# Altium PCB UmTRXv21.PcbDoc (part 11 of 19)
Units mm, origin at the board's own origin, x right, y up, seen from the top; angles counter-clockwise.
Board outline 159.5 x 99.5 mm, 6 copper layers (Top Layer, GND, MidLayer1, Mid-Layer 2, InternalPlane2, Bottom Layer), stack 1.526 mm thick; 716 components, 578 nets, 2850 pads, 1402 vias.
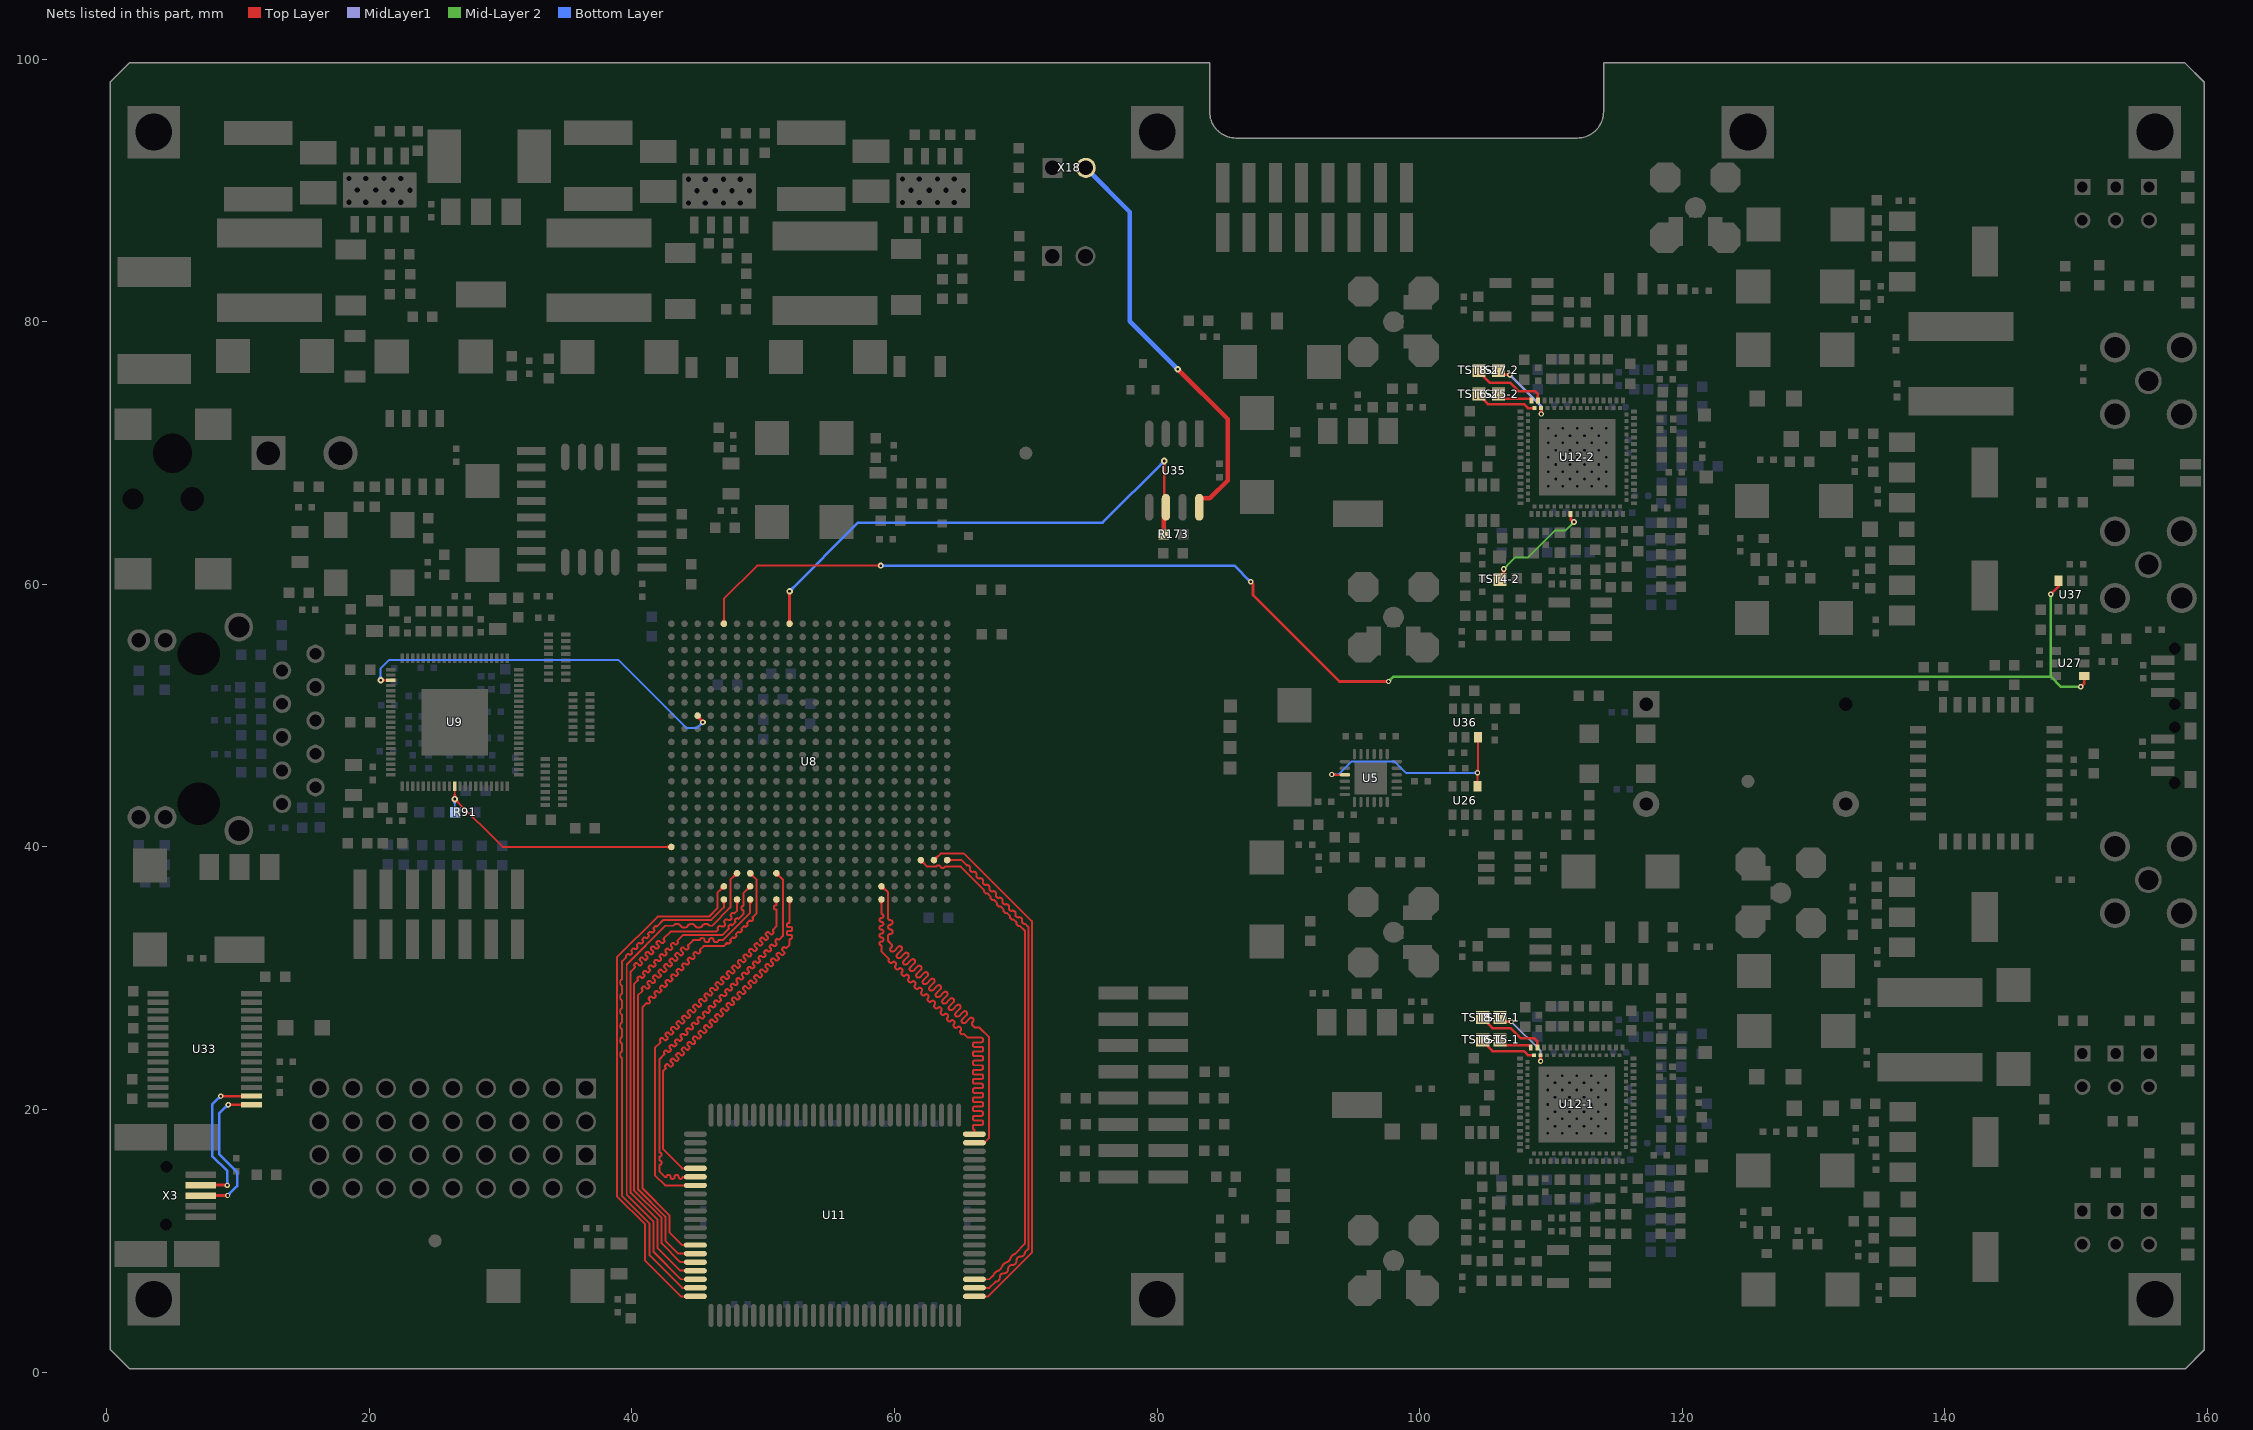
[diagram p15: the nets of this part, all layers, seen from the top]

## Via types
v1: diameter 0.45, hole 0.2, Top Layer to Bottom Layer, tented both sides, 440 vias
v2: diameter 0.5, hole 0.2, Top Layer to Bottom Layer, tented both sides, 423 vias
v3: diameter 0.7, hole 0.3, Top Layer to Bottom Layer, tented both sides, 257 vias
v4: diameter 0.4, hole 0.2, Top Layer to Bottom Layer, tented both sides, 197 vias
v5: diameter 0.8, hole 0.3, Top Layer to Bottom Layer, tented both sides, 63 vias
v6: diameter 0.6, hole 0.25, Top Layer to Bottom Layer, tented both sides, 16 vias
v7: diameter 0.6, hole 0.3, Top Layer to Bottom Layer, tented both sides, 4 vias
v8: diameter 1, hole 0.5, Top Layer to Bottom Layer, tented both sides, 2 vias

## Nets (pads, with @x,y where several pads share a name; then routed paths per layer and width w, separated by ;. In a path a pad name is that pad's centre, name@x,y a point inside that pad or via, vN(x,y) a via of type N, cw(c..) or ccw(c..) an arc to the next point about the centre after c; other vN are vias at no path point) (continued)
NetTST4-2_1: TST4-2.1 U12-2.42 | length 10.7
  Top Layer w0.15: TST4-2.1@106.1,60.1 106.4,60.4 v1(106.4,61.175) ; v1@106.294,61.069 cw(c106.038,60.813) 106.4,60.813 cw(c106.762,60.813) v1@106.506,61.069
  Top Layer w0.2: U12-2.42@111.496,65.355 111.496,64.954 ; v1@111.733,64.874 cw(c111.696,65.154) 111.496,64.954 ; v1(111.75,64.75) 111.7,64.75 111.496,64.954
  Mid-Layer 2 w0.15: v1(106.4,61.175) 107.275,62.05 108.25,62.05 110.3,64.1 111.1,64.1 v1(111.75,64.75) ; v1@106.4,61.325 ccw(c106.4,61.687) 106.656,61.431 ccw(c106.912,61.175) v1@106.55,61.175 ; v1@111.6,64.75 cw(c111.238,64.75) 111.494,64.494 cw(c111.75,64.238) v1@111.75,64.6
NetTST5-1_1: TST5-1.1 U12-1.116 | length 2.6
  Top Layer w0.2: TST5-1.1@106.1,25.3 106.512,24.888 108.282,24.888 U12-1.116@108.457,24.713
NetTST5-2_1: TST5-2.1 U12-2.116 | length 2.7
  Top Layer w0.2: TST5-2.1@106,74.5 106.35,74.15 108.425,74.15 108.496,74.079 U12-2.116@108.496,74.005
NetTST6-1_1: TST6-1.1 U12-1.115 | length 4.4
  Top Layer w0.2: TST6-1.1@104.737,25.237 105.525,24.45 107.925,24.45 108.237,24.138 U12-1.115@108.707,24.138
NetTST6-2_1: TST6-2.1 U12-2.115 | length 4.7
  Top Layer w0.2: TST6-2.1@104.462,74.463 105.2,73.725 107.951,73.725 108.246,73.43 U12-2.115@108.746,73.43
NetTST7-1_1: TST7-1.1 U12-1.113 | length 6.2
  Top Layer w0.2: TST7-1.1@106.1,27 106.4,26.7 v4(106.975,26.7) ; v4@109.136,23.759 ccw(c108.966,23.929) 109.207,23.929 ccw(c109.449,23.93) v4@109.278,23.759 ; v4(109.207,23.688) U12-1.113@109.207,24.138
  MidLayer1 w0.15: v4(106.975,26.7) 109.207,24.468 v4(109.207,23.688) ; v4@109.119,23.776 ccw(c108.905,23.99) 109.207,23.99 ccw(c109.509,23.99) v4@109.295,23.776
NetTST7-2_1: TST7-2.1 U12-2.113 | length 6.9
  Top Layer w0.2: TST7-2.1@106,76.3 106.325,75.975 v4(106.85,75.975) ; v4@106.779,75.904 ccw(c106.609,75.734) 106.609,75.975 ccw(c106.609,76.216) v4@106.779,76.046 ; v4@109.175,73.051 ccw(c109.005,73.221) 109.246,73.221 ccw(c109.487,73.221) v4@109.317,73.051 ; v4(109.246,72.98) U12-2.113@109.246,73.43
  MidLayer1 w0.2: v4@106.85,75.875 cw(c106.85,75.634) 107.021,75.804 cw(c107.191,75.975) v4@106.95,75.975 ; v4(106.85,75.975) 109.246,73.579 v4(109.246,72.98) ; v4@109.175,73.051 ccw(c109.005,73.221) 109.246,73.221 ccw(c109.487,73.221) v4@109.317,73.051
NetTST8-1_1: TST8-1.1 U12-1.114 | length 5.4
  Top Layer w0.2: TST8-1.1@104.762,26.962 105.525,26.2 106.925,26.2 107.7,25.425 108.725,25.425 108.957,25.193 U12-1.114@108.957,24.713
NetTST8-2_1: TST8-2.1 U12-2.114 | length 5.8
  Top Layer w0.2: TST8-2.1@104.45,76.25 105.35,75.35 106.9,75.35 107.525,74.725 108.767,74.725 108.996,74.496 U12-2.114@108.996,74.005
NetU5_3: U5.3 U26.4 U36.3 | length 19
  Top Layer w0.15: v4(93.3,45.525) 93.325,45.5 U5.3@94.3,45.5 ; v4@93.388,45.437 cw(c93.541,45.284) 93.541,45.5 ; v4@93.388,45.613 ccw(c93.662,45.887) 93.662,45.5 ; v4@104.312,45.562 cw(c104.093,45.343) 104.402,45.343 ; v4@104.312,45.738 ccw(c104.035,46.015) 104.426,46.015 ; U26.4@104.402,44.61 104.402,45.648 v4(104.4,45.65) 104.426,45.676 U36.3@104.426,48.365 ; 104.402,45.353 cw(c104.697,45.353) v4@104.488,45.562 ; 104.426,45.889 ccw(c104.639,45.889) v4@104.488,45.738
  Bottom Layer w0.15: v4(93.3,45.525) 93.825,45.525 94.825,46.525 98.075,46.525 98.95,45.65 v4(104.4,45.65) ; v4@93.388,45.437 cw(c93.602,45.223) 93.602,45.525 cw(c93.602,45.827) v4@93.388,45.613 ; v4@104.312,45.562 ccw(c104.098,45.348) 104.098,45.65 ccw(c104.098,45.952) v4@104.312,45.738
NetU33_15: U33.15 X3.3 | length 13.2
  Top Layer w0.2: X3.3@7.4,13.45 v4(9.2,13.45) ; v4@9.129,13.379 ccw(c8.958,13.208) 8.958,13.45 ccw(c8.959,13.691) v4@9.129,13.521 ; v4(9.25,20.375) U33.15@11,20.375 ; v4@9.321,20.304 cw(c9.491,20.134) 9.491,20.375 cw(c9.491,20.616) v4@9.321,20.446
  Bottom Layer w0.2: 9.06,20.196 cw(c9.25,20.006) v4@9.25,20.275 ; 9.087,20.224 ccw(c8.936,20.375) v4@9.15,20.375 ; v4(9.2,13.45) 9.925,14.175 9.925,15.25 8.55,16.625 8.55,19.686 9.239,20.375 v4(9.25,20.375) ; v4@9.2,13.55 ccw(c9.2,13.791) 9.371,13.621 ccw(c9.541,13.45) v4@9.3,13.45
NetU33_16: U33.16 X3.2 | length 13.1
  Top Layer w0.2: X3.2@7.4,14.25 v4@9.2,14.25 ; v4(8.675,21.025) U33.16@11,21.025 ; v4@8.746,20.954 cw(c8.916,20.784) 8.916,21.025 cw(c8.916,21.266) v4@8.746,21.096 ; 8.873,14.25 cw(c8.873,13.923) v4@9.104,14.154
  Bottom Layer w0.2: v4@8.575,21.025 cw(c8.334,21.025) 8.504,20.854 cw(c8.675,20.684) v4@8.675,20.925 ; v4(8.675,21.025) 8.025,20.375 8.025,16.475 9.175,15.325 v4(9.175,14.225) ; v4@9.104,14.296 ccw(c8.934,14.466) 9.175,14.466 ccw(c9.416,14.466) v4@9.246,14.296
NetU35_8: U35.8 X18.2 | length 31.6
  Top Layer w0.35: v2(81.575,76.4) 85.375,72.6 85.375,67.911 84.014,66.55 83.375,66.55 83.205,66.38 U35.8@83.205,65.878
  Bottom Layer w0.35: X18.2@74.565,91.725 77.925,88.365 77.925,80.05 v2(81.575,76.4)
OVERHEAT: R173.2 U8.AB13 U35.6 | length 42.8
  Top Layer w0.2: U8.AB13@51.894,57.106 ccw(c51.638,57.362) 52,57.362 ccw(c52.362,57.362) U8.AB13@52.106,57.106 ; v2@51.894,59.369 cw(c51.638,59.113) 52,59.113 cw(c52.362,59.113) v2@52.106,59.369 ; U8.AB13@52,57 v2(52,59.475) ; U35.6@80.55,65.878 v2(80.55,69.4)
  Top Layer w0.35: R173.2@80.5,63.825 U35.6@80.5,65.713
  Bottom Layer w0.2: v2(52,59.475) 57.225,64.7 75.85,64.7 v2(80.55,69.4) ; v2@52,59.625 ccw(c52,59.987) 52.256,59.731 ccw(c52.512,59.475) v2@52.15,59.475 ; v2@80.4,69.4 cw(c80.038,69.4) 80.294,69.144 cw(c80.55,68.888) v2@80.55,69.25
PHY_INTN: R91.2 U8.E22 U9.53 | length 22.6
  Top Layer w0.15: v2@26.376,43.774 ccw(c26.078,44.072) 26.5,44.072 ccw(c26.922,44.072) v2@26.624,43.774 ; v2@26.5,43.475 cw(c26.5,43.053) 26.799,43.351 cw(c27.097,43.65) v2@26.675,43.65 ; U9.53@26.5,44.625 v2(26.5,43.65) 30.15,40 U8.E22@43,40 ; U8.E22@42.876,39.876 ccw(c42.578,39.578) 42.578,40 ccw(c42.578,40.422) U8.E22@42.876,40.124
  Bottom Layer w0.15: v2@26.376,43.526 cw(c26.078,43.228) 26.5,43.228 cw(c26.922,43.228) v2@26.624,43.526 ; R91.2@26.5,42.65 v2(26.5,43.65)
PHY_RESETN: U8.R20 U9.24 | length 34.2
  Top Layer w0.15: v2(20.85,52.7) 20.85,52.65 20.9,52.7 U9.24@21.625,52.7 ; v2@20.974,52.576 cw(c21.272,52.278) 21.272,52.7 cw(c21.273,53.123) v2@20.974,52.824 ; U8.R20@44.955,49.831 cw(c44.843,49.414) v1@45.217,49.63 ; U8.R20@45,49.825 cw(c45,49.644) 45.128,49.772 ; U8.R20@45,50 45,49.9 v1(45.4,49.5) ; U8.R20@45.012,49.825 cw(c45.022,49.684) 45.145,49.755 cw(c45.272,49.828) U8.R20@45.148,49.906 ; U8.R20@45.025,49.999 ccw(c45.302,49.985) 45.163,49.745 ; U8.R20@45.155,49.919 ccw(c45.29,49.848) 45.214,49.716 ; U8.R20@45.169,49.955 ccw(c45.568,49.848) 45.21,49.641 ; U8.R20@45.175,50 ccw(c45.839,50) v1@45.369,49.531 ; v1@45.25,49.5 ccw(c44.888,49.5) 45.144,49.756 ccw(c45.4,50.012) v1@45.4,49.65
  Bottom Layer w0.15: v2@20.726,52.824 ccw(c20.428,53.122) 20.85,53.122 ccw(c21.272,53.122) v2@20.974,52.824 ; v2(20.85,52.7) 20.85,53.6 21.5,54.25 38.95,54.25 44.125,49.075 44.975,49.075 v1(45.4,49.5) ; v1@45.25,49.5 cw(c44.888,49.5) 45.144,49.244 cw(c45.4,48.988) v1@45.4,49.35
PPS_IN: U8.AB18 U27.4 U37.3 | length 123.4
  Top Layer w0.15: U8.AB18@46.876,57.124 ccw(c46.578,57.422) 47,57.422 ccw(c47.422,57.422) U8.AB18@47.124,57.124 ; U8.AB18@47,57 47,58.9 49.525,61.425 v1(58.95,61.425) ; v1@58.844,61.319 ccw(c58.588,61.063) 58.588,61.425 ccw(c58.588,61.787) v1@58.844,61.531
  Top Layer w0.2: v4(87.125,60.2) 87.3,60.025 87.3,59.175 93.875,52.6 v4(97.625,52.6) ; v4@97.554,52.529 ccw(c97.384,52.359) 97.384,52.6 ccw(c97.384,52.841) v4@97.554,52.671 ; v4(148.062,59.25) 148.662,59.85 U37.3@148.662,60.28 ; v4(150.35,52.2) 150.6,52.45 150.6,53.022 U27.4@150.615,53.037 ; v4@150.35,52.3 ccw(c150.35,52.541) 150.521,52.371 ccw(c150.691,52.2) v4@150.45,52.2
  Mid-Layer 2 w0.2: v4(97.625,52.6) 98,52.975 148.062,52.975 ; v4@97.625,52.7 ccw(c97.625,52.941) 97.796,52.771 ccw(c97.966,52.6) v4@97.725,52.6 ; v4@147.991,59.179 cw(c147.821,59.009) 148.062,59.009 cw(c148.304,59.009) v4@148.133,59.179 ; v4(148.062,59.25) 148.062,52.975 ; v4@150.279,52.129 ccw(c150.109,51.959) 150.109,52.2 ccw(c150.109,52.441) v4@150.279,52.271 ; v4(150.35,52.2) 148.837,52.2 148.062,52.975
  Bottom Layer w0.2: v1(58.95,61.425) 85.9,61.425 v4(87.125,60.2) ; v1@59.038,61.337 cw(c59.252,61.123) 59.252,61.425 cw(c59.252,61.727) v1@59.038,61.513 ; v4@87.025,60.2 ccw(c86.784,60.2) 86.954,60.371 ccw(c87.125,60.541) v4@87.125,60.3
RAM_A00: U8.A14 U11.37 | length 40.8
  Top Layer w0.15: 42.361,25.425 ccw(c42.277,25.34) 42.192,25.425 42.149,25.382 ccw(c42.234,25.297) 42.149,25.213 cw(c42.093,25.156) 42.149,25.099 41.75,24.7 41.75,15 42.525,14.225 U11.37@44.825,14.225 ; 42.362,25.425 42.418,25.368 42.475,25.312 ccw(c42.56,25.396) 42.644,25.311 42.687,25.354 ccw(c42.602,25.439) 42.687,25.524 42.574,25.637 ; 42.574,25.637 cw(c42.659,25.722) 42.574,25.806 ; 42.574,25.807 42.616,25.849 cw(c42.701,25.764) 42.786,25.849 42.842,25.792 42.899,25.736 ccw(c42.984,25.821) 43.069,25.736 43.111,25.778 ccw(c43.026,25.863) 43.111,25.948 43.055,26.005 42.998,26.061 cw(c43.083,26.146) 42.998,26.231 43.04,26.273 cw(c43.125,26.188) 43.21,26.273 43.267,26.217 43.323,26.16 ccw(c43.408,26.245) 43.493,26.16 43.535,26.203 ccw(c43.451,26.287) 43.535,26.372 43.479,26.429 43.422,26.485 cw(c43.507,26.57) 43.422,26.655 43.465,26.698 cw(c43.55,26.613) 43.634,26.698 43.691,26.641 43.748,26.584 ccw(c43.832,26.669) 43.917,26.584 43.96,26.627 ccw(c43.875,26.712) 43.96,26.797 43.903,26.853 43.847,26.91 cw(c43.931,26.995) 43.846,27.079 ; 43.847,27.079 43.889,27.122 cw(c43.974,27.037) 44.059,27.122 44.115,27.065 44.172,27.009 ccw(c44.257,27.094) 44.341,27.009 ; 44.342,27.009 44.384,27.051 ccw(c44.299,27.136) 44.384,27.221 44.271,27.334 cw(c44.356,27.419) 44.271,27.504 44.313,27.546 cw(c44.398,27.461) 44.483,27.546 44.54,27.49 44.596,27.433 ccw(c44.681,27.518) 44.766,27.433 ; 44.766,27.433 44.808,27.475 ccw(c44.723,27.56) 44.808,27.645 44.752,27.702 44.695,27.758 cw(c44.78,27.843) 44.695,27.928 44.738,27.97 cw(c44.822,27.885) 44.907,27.97 44.964,27.914 45.02,27.857 ccw(c45.105,27.942) 45.19,27.857 45.232,27.9 ccw(c45.148,27.984) 45.233,28.069 45.176,28.126 45.119,28.182 cw(c45.204,28.267) 45.119,28.352 45.162,28.395 cw(c45.247,28.31) 45.331,28.395 45.388,28.338 45.445,28.281 ccw(c45.529,28.366) 45.614,28.281 45.657,28.324 ; 45.586,28.819 45.544,28.776 ccw(c45.628,28.692) 45.544,28.607 45.6,28.55 45.657,28.494 cw(c45.572,28.409) 45.657,28.324 ; 45.586,28.819 cw(c45.671,28.734) 45.756,28.819 45.812,28.762 45.869,28.706 ccw(c45.954,28.791) 46.038,28.706 46.081,28.748 ccw(c45.996,28.833) 46.081,28.918 46.024,28.974 45.968,29.031 cw(c46.053,29.116) 45.968,29.201 46.01,29.243 ; 46.01,29.243 cw(c46.095,29.158) 46.18,29.243 46.237,29.187 46.293,29.13 ccw(c46.378,29.215) 46.463,29.13 46.505,29.172 ccw(c46.42,29.257) 46.505,29.342 46.449,29.399 46.392,29.455 cw(c46.477,29.54) 46.392,29.625 46.435,29.667 cw(c46.519,29.583) 46.604,29.667 46.661,29.611 46.717,29.554 ccw(c46.802,29.639) 46.887,29.554 46.93,29.597 ccw(c46.845,29.682) 46.93,29.766 46.873,29.823 46.816,29.88 cw(c46.901,29.964) 46.816,30.049 46.859,30.092 ; 46.859,30.092 cw(c46.944,30.007) 47.028,30.092 ; 47.029,30.092 47.142,29.979 ccw(c47.227,30.063) 47.311,29.978 47.354,30.021 ccw(c47.269,30.106) 47.354,30.191 47.297,30.247 47.241,30.304 cw(c47.326,30.389) 47.24,30.473 47.283,30.516 cw(c47.368,30.431) 47.453,30.516 47.509,30.459 47.566,30.403 ccw(c47.651,30.488) 47.735,30.403 47.778,30.445 ; 47.778,30.445 ccw(c47.693,30.53) 47.778,30.615 47.721,30.671 47.665,30.728 cw(c47.75,30.813) 47.665,30.898 47.707,30.94 cw(c47.792,30.855) 47.877,30.94 47.934,30.884 47.99,30.827 ccw(c48.075,30.912) 48.16,30.827 48.202,30.869 ccw(c48.117,30.954) 48.202,31.039 48.146,31.096 48.089,31.152 cw(c48.174,31.237) 48.089,31.322 48.132,31.364 cw(c48.216,31.28) 48.301,31.364 48.358,31.308 48.414,31.251 ccw(c48.499,31.336) 48.584,31.251 ; 48.584,31.251 48.627,31.294 ccw(c48.542,31.379) 48.627,31.463 48.57,31.52 48.513,31.577 cw(c48.598,31.661) 48.513,31.746 48.556,31.789 cw(c48.641,31.704) 48.725,31.789 ; 48.726,31.789 48.839,31.676 ; 48.839,31.675 ccw(c48.924,31.76) 49.008,31.675 ; 48.938,32.001 cw(c49.023,32.086) 48.938,32.171 48.98,32.213 cw(c49.065,32.128) 49.15,32.213 49.206,32.156 49.263,32.1 ccw(c49.348,32.185) 49.433,32.1 49.475,32.142 ccw(c49.39,32.227) 49.475,32.312 49.419,32.369 49.362,32.425 cw(c49.447,32.51) 49.362,32.595 ; 48.938,32.001 48.994,31.944 49.051,31.888 cw(c48.966,31.803) 49.051,31.718 49.008,31.676 ; 49.362,32.595 49.404,32.637 cw(c49.489,32.552) 49.574,32.637 49.631,32.581 49.687,32.524 ccw(c49.772,32.609) 49.857,32.524 49.899,32.567 ccw(c49.815,32.651) 49.899,32.736 49.843,32.793 49.786,32.849 cw(c49.871,32.934) 49.786,33.019 49.829,33.062 cw(c49.914,32.977) 49.998,33.062 50.055,33.005 50.112,32.948 ccw(c50.196,33.033) 50.281,32.948 50.324,32.991 ccw(c50.239,33.076) 50.324,33.16 50.267,33.217 50.21,33.274 cw(c50.295,33.358) 50.21,33.443 ; 50.21,33.443 50.253,33.486 cw(c50.338,33.401) 50.423,33.486 50.479,33.429 50.536,33.373 ccw(c50.621,33.457) 50.705,33.372 50.748,33.415 ccw(c50.663,33.5) 50.748,33.585 cw(c50.804,33.641) 50.748,33.698 51,33.95 51,35.2 ccw(c50.95,35.2) 50.95,35.25 50.92,35.25 cw(c50.92,35.37) 50.8,35.37 50.8,35.43 cw(c50.92,35.43) 50.92,35.55 ccw(c50.92,35.63) 51,35.63 ; U8.A14@50.889,35.865 cw(c50.696,35.63) 51,35.63 ; U8.A14@51,36 51,35.63 ; U8.A14@51.111,35.865 ccw(c51.304,35.63) 51,35.63
RAM_A01: U8.C14 U11.36 | length 39.5
  Top Layer w0.15: 43.351,24.889 43.308,24.846 cw(c43.224,24.931) 43.139,24.846 43.096,24.889 ccw(c43.011,24.804) 42.927,24.889 42.884,24.846 ccw(c42.969,24.761) 42.884,24.677 42.927,24.634 cw(c42.842,24.549) 42.927,24.465 42.884,24.422 cw(c42.799,24.507) 42.714,24.422 42.672,24.464 ccw(c42.587,24.38) 42.502,24.464 42.46,24.422 ccw(c42.545,24.337) 42.46,24.252 cw(c42.439,24.231) 42.46,24.21 42.1,23.85 42.1,16.725 cw(c42.1,16.57) 42.1,16.415 42.1,16.105 cw(c42.1,15.95) 42.1,15.795 42.1,15.27 42.495,14.875 42.625,14.875 cw(c42.78,14.875) 42.935,14.875 ccw(c43.09,14.875) 43.245,14.875 cw(c43.4,14.875) 43.555,14.875 ccw(c43.71,14.875) 43.865,14.875 U11.36@44.825,14.875 ; 43.351,24.889 ccw(c43.266,24.974) 43.351,25.058 43.308,25.101 cw(c43.393,25.186) 43.308,25.27 43.351,25.313 cw(c43.436,25.228) 43.52,25.313 43.563,25.271 ccw(c43.648,25.355) 43.732,25.27 43.775,25.313 ccw(c43.69,25.398) 43.775,25.482 ; 43.775,25.483 43.754,25.504 43.733,25.525 cw(c43.817,25.61) 43.733,25.695 43.775,25.737 ; 43.775,25.737 cw(c43.86,25.652) 43.945,25.737 43.987,25.695 ccw(c44.072,25.78) 44.157,25.695 44.199,25.737 ccw(c44.114,25.822) 44.199,25.907 44.157,25.949 cw(c44.242,26.034) 44.157,26.119 44.199,26.161 cw(c44.284,26.077) 44.369,26.161 44.411,26.119 ccw(c44.496,26.204) 44.581,26.119 44.624,26.161 ccw(c44.539,26.246) 44.624,26.331 44.581,26.374 cw(c44.666,26.458) 44.581,26.543 44.624,26.586 cw(c44.708,26.501) 44.793,26.586 44.836,26.543 ccw(c44.921,26.628) 45.005,26.543 45.048,26.586 ccw(c44.963,26.671) 45.048,26.755 45.005,26.798 cw(c45.09,26.883) 45.005,26.967 ; 45.005,26.968 45.048,27.01 cw(c45.133,26.925) 45.218,27.01 45.26,26.968 ccw(c45.345,27.052) 45.43,26.967 ; 45.43,26.968 45.472,27.01 ccw(c45.387,27.095) 45.472,27.18 ; 45.472,27.18 45.451,27.201 45.43,27.222 cw(c45.515,27.307) 45.43,27.392 45.472,27.434 cw(c45.557,27.349) 45.642,27.434 45.684,27.392 ; 45.684,27.392 ccw(c45.769,27.477) 45.854,27.392 45.896,27.434 ccw(c45.812,27.519) 45.896,27.604 45.854,27.646 cw(c45.939,27.731) 45.854,27.816 45.896,27.859 cw(c45.981,27.774) 46.066,27.859 46.109,27.816 ccw(c46.193,27.901) 46.278,27.816 46.321,27.859 ccw(c46.236,27.943) 46.321,28.028 46.278,28.071 cw(c46.363,28.156) 46.278,28.24 46.321,28.283 cw(c46.405,28.198) 46.49,28.283 46.533,28.24 ccw(c46.618,28.325) 46.702,28.24 46.745,28.283 ccw(c46.66,28.368) 46.745,28.452 46.702,28.495 cw(c46.787,28.58) 46.702,28.664 ; 46.702,28.665 46.745,28.707 cw(c46.83,28.622) 46.915,28.707 46.957,28.665 ccw(c47.042,28.749) 47.127,28.664 ; 47.127,29.089 ccw(c47.212,29.004) 47.127,28.919 47.169,28.877 cw(c47.084,28.792) 47.169,28.707 47.127,28.665 ; 47.127,29.089 47.169,29.131 cw(c47.254,29.046) 47.339,29.131 47.381,29.089 ccw(c47.466,29.174) 47.551,29.089 47.593,29.131 ccw(c47.509,29.216) 47.593,29.301 47.551,29.343 cw(c47.636,29.428) 47.551,29.513 47.593,29.556 cw(c47.678,29.471) 47.763,29.556 47.806,29.513 ccw(c47.89,29.598) 47.975,29.513 48.018,29.556 ccw(c47.933,29.64) 48.018,29.725 47.975,29.768 cw(c48.06,29.853) 47.975,29.937 48.018,29.98 cw(c48.103,29.895) 48.187,29.98 ; 48.187,29.98 48.209,29.959 48.23,29.937 ccw(c48.315,30.022) 48.4,29.937 48.442,29.98 ; 48.442,29.98 ccw(c48.357,30.065) 48.442,30.15 48.4,30.192 cw(c48.484,30.277) 48.399,30.362 48.442,30.404 ; 48.442,30.404 cw(c48.527,30.319) 48.612,30.404 48.654,30.362 ccw(c48.739,30.447) 48.824,30.362 48.866,30.404 ccw(c48.781,30.489) 48.866,30.574 48.824,30.616 cw(c48.909,30.701) 48.824,30.786 48.866,30.828 cw(c48.951,30.744) 49.036,30.829 49.078,30.786 ccw(c49.163,30.871) 49.248,30.786 49.29,30.828 ccw(c49.206,30.913) 49.29,30.998 49.248,31.04 cw(c49.333,31.125) 49.248,31.21 49.29,31.253 cw(c49.375,31.168) 49.46,31.253 49.503,31.21 ccw(c49.587,31.295) 49.672,31.21 49.715,31.253 ; 49.715,31.253 ccw(c49.63,31.337) 49.715,31.422 49.672,31.465 cw(c49.757,31.55) 49.672,31.634 49.715,31.677 cw(c49.8,31.592) 49.884,31.677 49.927,31.634 ccw(c50.012,31.719) 50.096,31.634 50.139,31.677 ; 50.139,32.101 50.097,32.059 ccw(c50.181,31.974) 50.096,31.889 50.139,31.847 cw(c50.054,31.762) 50.139,31.677 ; 50.139,32.101 cw(c50.224,32.016) 50.309,32.101 50.351,32.059 ccw(c50.436,32.144) 50.521,32.059 50.563,32.101 ccw(c50.478,32.186) 50.563,32.271 50.521,32.313 cw(c50.606,32.398) 50.521,32.483 50.563,32.525 cw(c50.648,32.441) 50.733,32.526 50.775,32.483 ccw(c50.86,32.568) 50.945,32.483 50.988,32.525 ccw(c50.903,32.61) 50.988,32.695 50.966,32.716 50.945,32.738 cw(c51.03,32.822) 50.945,32.907 50.988,32.95 cw(c51.072,32.865) 51.157,32.95 ccw(c51.178,32.971) 51.2,32.95 51.5,33.25 51.5,37.5 U8.C14@51,38 ; U8.C14@51,37.825 cw(c51,37.403) 51.299,37.701 cw(c51.597,38) U8.C14@51.175,38
RAM_A02: U8.A6 U11.100 | length 40.6
  Top Layer w0.15: U8.A6@58.876,35.876 cw(c58.578,35.578) 59,35.578 cw(c59.422,35.578) U8.A6@59.124,35.876 ; U8.A6@59,36 59,34.9 cw(c59,34.75) 59,34.6 ccw(c59,34.45) 59,34.3 cw(c59,34.15) 59,34 ccw(c59,33.85) 59,33.7 cw(c59,33.55) 59,33.4 ccw(c59,33.25) 59,33.1 cw(c59,32.95) 59,32.8 ccw(c59,32.65) 59,32.5 59,32.05 59.584,31.466 ; 59.584,31.254 cw(c59.69,31.36) 59.584,31.466 ; 59.584,31.254 59.619,31.218 ; 59.62,31.218 ccw(c59.725,31.325) 59.832,31.218 cw(c59.938,31.112) 60.044,31.218 60.079,31.183 cw(c59.973,31.077) 60.079,30.971 ccw(c60.185,30.865) 60.079,30.759 60.114,30.723 ccw(c60.22,30.83) 60.327,30.723 cw(c60.433,30.617) 60.538,30.724 60.574,30.688 cw(c60.468,30.582) 60.574,30.476 ccw(c60.68,30.37) 60.574,30.264 60.609,30.229 ccw(c60.715,30.335) 60.821,30.229 cw(c60.928,30.122) 61.034,30.229 61.069,30.193 cw(c60.963,30.087) 61.069,29.981 ccw(c61.175,29.875) 61.069,29.769 61.104,29.734 ccw(c61.21,29.84) 61.316,29.734 cw(c61.423,29.627) 61.528,29.734 ; 61.529,29.734 61.564,29.698 ; 61.564,29.698 cw(c61.458,29.592) 61.564,29.486 ccw(c61.67,29.38) 61.564,29.274 61.599,29.239 ccw(c61.705,29.345) 61.811,29.239 cw(c61.918,29.132) 62.023,29.239 62.059,29.203 cw(c61.953,29.097) 62.059,28.991 ccw(c62.165,28.885) 62.059,28.779 62.094,28.744 ccw(c62.2,28.85) 62.306,28.744 cw(c62.412,28.638) 62.518,28.744 62.554,28.708 cw(c62.448,28.602) 62.554,28.496 ccw(c62.66,28.39) 62.554,28.284 62.589,28.249 ccw(c62.695,28.355) 62.801,28.249 cw(c62.907,28.143) 63.013,28.249 63.049,28.213 cw(c62.943,28.107) 63.049,28.001 ccw(c63.155,27.895) 63.049,27.789 63.084,27.754 ccw(c63.19,27.86) 63.296,27.754 cw(c63.402,27.648) 63.508,27.754 ; 63.508,27.754 63.544,27.718 ; 63.544,27.718 cw(c63.438,27.612) 63.544,27.506 ccw(c63.65,27.4) 63.544,27.294 63.579,27.259 ccw(c63.685,27.365) 63.791,27.259 cw(c63.897,27.153) 64.003,27.259 64.039,27.223 cw(c63.933,27.117) 64.039,27.011 ccw(c64.145,26.905) 64.039,26.799 64.074,26.764 ccw(c64.18,26.87) 64.286,26.764 cw(c64.392,26.658) 64.498,26.764 64.534,26.728 cw(c64.428,26.622) 64.534,26.516 ccw(c64.64,26.41) 64.534,26.304 64.569,26.269 ccw(c64.675,26.375) 64.781,26.269 cw(c64.887,26.163) 64.993,26.269 65.029,26.233 cw(c64.923,26.127) 65.029,26.021 ccw(c65.135,25.915) 65.029,25.809 ; 65.029,25.809 65.064,25.774 ; 65.064,25.774 ccw(c65.17,25.88) 65.276,25.774 65.575,25.475 66.618,25.475 cw(c66.618,25.352) 66.741,25.352 66.741,25.247 cw(c66.618,25.247) 66.618,25.125 66.082,25.125 ccw(c66.082,25.002) 65.959,25.002 65.959,24.897 ccw(c66.082,24.897) 66.082,24.775 66.618,24.775 cw(c66.618,24.652) 66.741,24.652 66.741,24.547 cw(c66.618,24.547) 66.618,24.425 66.082,24.425 ccw(c66.082,24.302) 65.959,24.302 65.959,24.197 ccw(c66.082,24.197) 66.082,24.075 66.618,24.075 cw(c66.618,23.952) 66.741,23.952 66.741,23.847 cw(c66.618,23.847) 66.618,23.725 66.082,23.725 ccw(c66.082,23.602) 65.959,23.602 65.959,23.497 ccw(c66.082,23.497) 66.082,23.375 66.618,23.375 cw(c66.618,23.252) 66.741,23.252 66.741,23.147 cw(c66.618,23.147) 66.618,23.025 66.082,23.025 ccw(c66.082,22.902) 65.959,22.902 65.959,22.797 ccw(c66.082,22.797) 66.082,22.675 66.618,22.675 cw(c66.618,22.552) 66.741,22.552 66.741,22.447 cw(c66.618,22.447) 66.618,22.325 66.082,22.325 ccw(c66.082,22.202) 65.959,22.202 65.959,22.097 ccw(c66.082,22.097) 66.082,21.975 66.618,21.975 cw(c66.618,21.852) 66.741,21.852 66.741,21.747 cw(c66.618,21.747) 66.618,21.625 66.082,21.625 ccw(c66.082,21.502) 65.959,21.502 65.959,21.397 ccw(c66.082,21.397) 66.082,21.275 66.618,21.275 cw(c66.618,21.152) 66.741,21.152 66.741,21.047 cw(c66.618,21.047) 66.618,20.925 66.082,20.925 ccw(c66.082,20.802) 65.959,20.802 65.959,20.697 ccw(c66.082,20.697) 66.082,20.575 66.618,20.575 cw(c66.618,20.452) 66.741,20.452 66.741,20.347 cw(c66.618,20.347) 66.618,20.225 66.082,20.225 ccw(c66.082,20.102) 65.959,20.102 65.959,19.997 ccw(c66.082,19.997) 66.082,19.875 66.618,19.875 cw(c66.618,19.752) 66.741,19.752 66.741,19.647 cw(c66.618,19.647) 66.618,19.525 66.082,19.525 ccw(c66.082,19.402) 65.959,19.402 65.959,19.297 ccw(c66.082,19.297) 66.082,19.175 66.618,19.175 cw(c66.618,19.052) 66.741,19.052 66.741,18.947 cw(c66.618,18.947) 66.618,18.825 66.082,18.825 ccw(c66.082,18.702) 65.959,18.702 65.959,18.597 ccw(c66.082,18.597) 66.082,18.475 66.082,18.132 U11.100@66.075,18.125